# Altium PCB EVK-IRIS-W1.PcbDoc (part 9 of 9)
Units mm, origin at the board's own origin, x right, y up, seen from the top; angles counter-clockwise.
Board outline 94.11 x 129.93 mm, 6 copper layers (L1, L2, L3, L4, L5, L6), stack 1.547 mm thick; 619 components, 422 nets, 2042 pads, 1499 vias.
Unrouted connection lines stored in the file: 4.
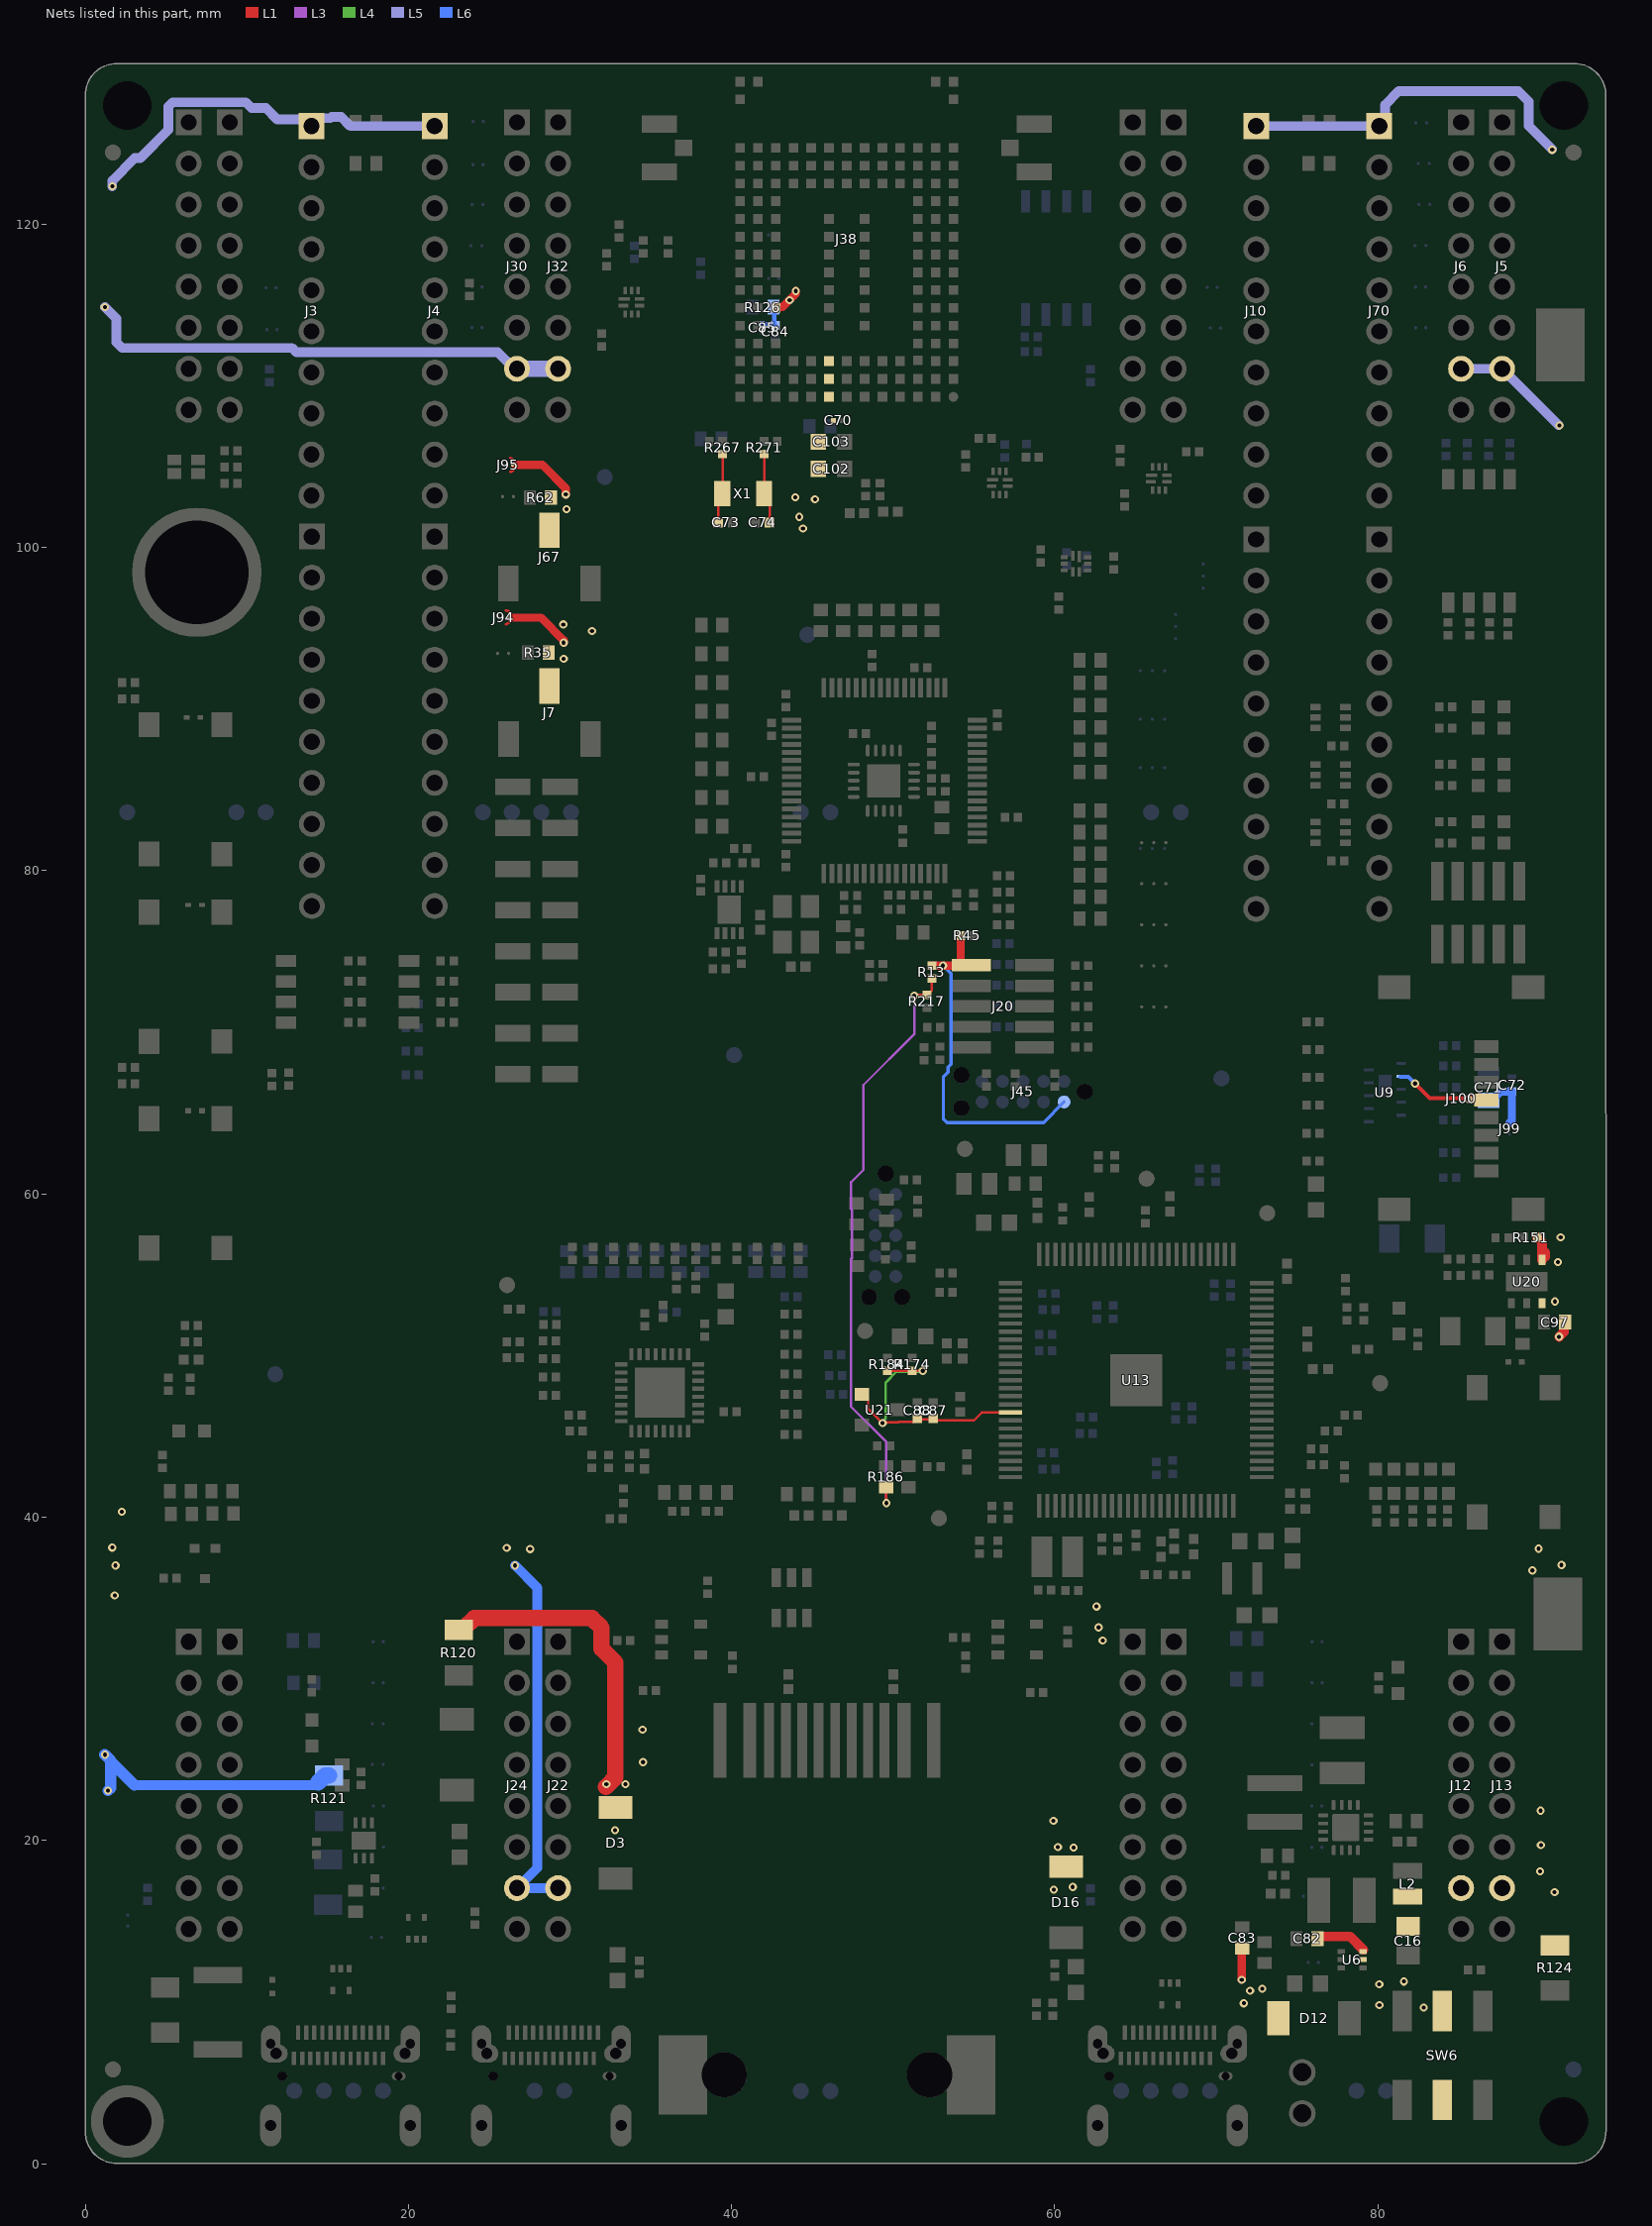
[diagram p13: the nets of this part, all layers, seen from the top]

## Via types
v1: diameter 0.508, hole 0.254, L1 to L6, 992 vias
v2: diameter 0.508, hole 0.254, L1 to L6, tented both sides, 288 vias
v3: diameter 0.5, hole 0.25, L1 to L6, 184 vias
v4: diameter 0.6, hole 0.3, L1 to L6, 27 vias
v5: diameter 0.5, hole 0.3, L1 to L6, 5 vias
v6: diameter 0.5, hole 0.2, L1 to L6, tented top, 2 vias
v7: diameter 0.6, hole 0.3, L1 to L6, tented both sides, 1 vias

## Nets (pads, with @x,y where several pads share a name; then routed paths per layer and width w, separated by ;. In a path a pad name is that pad's centre, name@x,y a point inside that pad or via, vN(x,y) a via of type N, cw(c..) or ccw(c..) an arc to the next point about the centre after c; other vN are vias at no path point) (continued)
VBUS: C83.1 D3.2 D12.2 D16.2 R120.2 SW6.2 SW6.5 U6.2 | length 21.9
  L1 w0.508: v2(71.574,11.371) 71.574,13.298 C83.1@71.595,13.32
  L1 w1.016: R120.2@23.066,32.948 23.301,32.948 23.479,33.127 23.479,33.151 24.075,33.746 28.193,33.746 31.359,33.746 31.954,33.151 31.954,31.858 32.815,30.997 32.815,23.894 v1@32.229,23.308
  other v1: 59.944,16.942 61.112,17.12 61.163,19.558 60.196,19.583 32.79,20.625 59.919,21.209 32.256,23.47 33.427,23.47 34.519,24.841 34.493,26.848
  other v2: 82.837,9.655 80.093,9.808 71.701,9.923 72.085,10.693 72.844,10.812 80.083,11.091 81.607,11.269
VBUS-OUT: C16.1 C82.1 C97.1 J3.1 J4.1 J5.7 J6.7 J10.1 J12.7 J13.7 J22.7 J24.7 J30.7 J32.7 J70.1 L2.1 R121.1 R124.2 R151.2 U6.3 U20.1 U20.6 | length 131.1
  L1 w0.6: C82.1@76.264,13.915 76.264,13.981 76.339,14.056 78.272,14.056 U6.3@79.104,13.224 ; R151.2@89.854,57.294 90.159,56.989 U20.1@90.159,55.906 ; U20.1@90.361,56.108 90.361,56.352 ; v2(91.21,51.156) 91.503,51.449 91.503,51.989 C97.1@91.578,52.064
  L5 w0.6: v2(1.216,114.859) 1.927,114.148 1.927,112.689 2.278,112.338 12.796,112.338 13.064,112.069 25.531,112.069 26.552,111.048 J30.7@26.725,111.048 ; v2@1.673,122.343 1.673,122.687 3.07,124.084 3.414,124.084 5.155,125.826 5.155,127.274 5.419,127.538 9.932,127.538 10.295,127.175 11.182,127.175 11.873,126.483 13.581,126.483 J3.1@14.005,126.059 14.496,126.55 15.188,126.55 15.262,126.624 15.845,126.624 16.41,126.059 J4.1@21.625,126.059 ; J24.7@26.649,16.972 J24.7@26.725,17.048 ; J10.1@72.465,126.059 J70.1@80.085,126.059 80.441,126.415 80.441,127.376 81.284,128.218 88.686,128.218 89.328,127.576 89.328,126.077 v2@90.776,124.629 ; J6.7@85.145,111.048 J5.7@87.685,111.048 v1@91.173,107.56
  L5 w1.016: J24.7@26.614,17.16 J24.7@26.725,17.048 ; J30.7@26.725,111.048 J32.7@29.265,111.048
  L6 w0.6: 3.046,23.419 5.887,23.419 ; 5.888,23.418 6.923,23.418 ; 6.924,23.419 8.427,23.419 ; 8.428,23.418 9.463,23.418 ; 9.464,23.419 R121.1@14.502,23.419 ; v1(26.592,37.008) 27.975,35.625 27.975,18.298 J24.7@26.725,17.048 J22.7@29.265,17.048
  L6 w0.7: v1(1.22,25.297) 1.576,24.941 1.576,24.89 ; v2(1.406,23.076) 1.576,23.245 1.576,24.89 ; 3.046,23.419 1.576,24.89
  L6 w1.016: R121.1@14.404,23.571 14.836,24.003 R121.1@15.086,24.003
  other v1: 62.965,32.36 62.711,33.172 62.584,34.468 1.829,35.154 89.559,36.703 1.878,37.008 91.364,37.033 27.532,38.024 89.94,38.049 26.085,38.089 1.676,38.115 2.261,40.335 90.957,53.34 91.135,55.778 91.235,107.535
  other v2: 90.932,16.789 90.039,18.076 90.09,19.702 90.065,21.835 91.311,57.302 1.685,122.339 90.788,124.599
VCC: J20.1 J45.1 R13.2 R45.2 | length 22.9
  L1 w0.501: R13.2@52.402,74.108 R13.2@52.399,74.111 52.408,74.12 v1(53.087,74.12) 54.821,74.12 J20.1@54.843,74.143 54.312,74.143 54.183,74.272 R45.2@54.183,75.983
  L6 w0.208: v1(53.087,74.12) 53.592,73.615 53.592,68.025 53.403,67.835 53.403,67.531 53.105,67.234 53.105,64.649 53.34,64.414 59.309,64.414 J45.1@60.579,65.684
VCC_IF_LINK: R13.1 R186.1 R217.2 | length 36.9
  L1 w0.15: R186.1@49.571,41.844 49.571,40.902 v1@49.579,40.894 ; v1(51.306,72.263) 51.351,72.307 R217.2@52.094,72.307 52.109,72.307 52.399,72.597 R13.1@52.399,73.311
  L3 w0.15: v1(49.579,40.869) 49.579,44.649 47.395,46.833 47.395,55.965 47.442,56.012 47.442,59.025 47.395,59.072 47.395,60.719 48.157,61.481 48.157,66.728 51.306,69.878 v1(51.306,72.263)
VDD: C70.1 C102.1 C103.1 J7.2 J38.H1 J38.H2 J38.H3 J94.2 R35.1 | length 4.3
  L1 w0.152: J94.2@26.199,95.673 26.202,95.671 26.202,95.613 26.369,95.613 26.369,95.695 26.373,95.699
  L1 w0.508: 26.348,95.65 26.374,95.65 28.214,95.65 29.613,94.251 v1(29.613,94.098)
  other v1: 29.613,93.108 31.367,94.818 29.589,95.225 44.423,101.168 44.194,101.879 45.16,102.972 43.94,103.099
VDD-IO: C84.1 C85.1 J38.L6 J67.2 J95.2 R62.2 R126.2 | length 9
  L1 w0.508: 26.602,105.104 26.628,105.104 28.285,105.104 29.74,103.649 v1(29.74,103.268) ; J38.L6@42.727,114.837 42.748,114.858 43.155,114.858 43.972,115.675 v1(43.972,115.853)
  L6 w0.301: C85.1@41.894,113.853 41.965,113.783 C84.1@42.652,113.783 ; C84.1@42.691,113.743 C84.1@42.652,113.783 ; v1(43.591,115.294) 43.155,114.858 R126.2@42.59,114.858 42.641,114.807 42.641,113.794 C84.1@42.652,113.783
  other v1: 29.791,102.353
VREF_MCULINK: C87.1 C88.1 R174.1 R184.2 U13.17 U21.1 | length 18.1
  L1 w0.15: U21.1@48.073,47.584 48.123,47.584 48.448,47.259 48.448,46.714 v1(49.349,45.813) ; v1@49.315,45.862 50.32,45.862 50.342,45.884 51.273,45.884 C88.1@51.498,46.109 51.556,46.05 52.416,46.05 C87.1@52.475,46.109 52.609,45.974 54.989,45.974 55.493,46.477 U13.17@57.266,46.477 ; R184.2@49.63,49.054 49.631,49.052 v1(51.838,49.052) ; v1@51.796,49.094 v1@51.814,49.112
  L4 w0.15: v1(49.349,45.813) 49.349,45.91 49.526,46.088 49.526,48.309 50.206,48.988 51.773,48.988 v1(51.838,49.052)
VSDIO: C71.1 C72.1 J99.2 J100.4 U9.2 | length 10.8
  L1 w0.25: v1(82.294,66.827) 83.197,65.925 85.063,65.925 85.085,65.903 85.549,65.903 v1(85.598,65.854)
  L1 w0.5: v1@85.62,65.854 85.621,65.852 86.661,65.852 J100.4@86.703,65.81
  L6 w0.25: U9.2@81.39,67.249 81.873,67.249 v1(82.294,66.827)
  L6 w0.5: v1@85.62,65.854 85.621,65.852 86.762,65.852 C71.1@86.841,65.773 87.041,65.773 87.583,66.316 88.279,66.316 C72.1@88.289,66.326 88.289,64.531 J99.2@88.136,64.379
XTAL32K_IN: C74.1 R271.1 X1.1 | length 4.4
  L1 w0.15: R271.1@42.014,105.77 42.016,105.768 X1.1@42.016,103.324 42.36,102.98 C74.1@42.36,101.533
XTAL32K_OUT: C73.1 R267.1 X1.2 | length 4.3
  L1 w0.15: C73.1@39.174,101.533 39.174,103.082 39.445,103.352 R267.1@39.445,105.77
pads on no net: D11.4 D14.4 D17.5 D18.4 FD1. FD2.1 FD3.1 FD4.1 FD5.1 FD6.1 J33.8 J33.A J33.B J33.C J38.A1 J38.B1 J38.B2 J38.C1 J38.C2 J38.C4 J38.C5 J38.C10 J38.C11 J38.C12 J38.C14 J38.C16 J38.D1 J38.L9 J38.L10 J38.L11 J38.L12 J38.L14 J38.L16 J39.8 J45.6 J45.7 J45.8 J45.A J45.B J45.C J72.26 J72.A2 J72.A3 J72.A8 J72.A10 J72.A11 J72.B2 J72.B3 J72.B8 J72.B10 J72.B11 J98.26 J98.A2 J98.A3 J98.A8 J98.A10 J98.A11 J98.B2 J98.B3 J98.B8 J98.B10 J98.B11 J101.26 J101.A2 J101.A3 J101.A8 J101.A10 J101.A11 J101.B2 J101.B3 J101.B8 J101.B10 J101.B11 SW6.3 SW6.6 T1.9 T1.MH1 T1.MH2 U1.8 U1.22 U1.26 U1.27 U5.1 U6.1 U6.6 U8.1 U9.3 U9.8 U10.7 U13.6 U13.11 U13.40 U13.43 U13.53 U13.64 U13.89 U13.93 U13.97 U13.98 U108.21 U108.24 U108.33 U108.34 U108.36 U108.45 U108.46 U108.60 U109.2 U109.5 U109.7 U109.14 U109.15

## Polygon pours and split planes (outlines as drawn)
GND on L1 "GND_L01_P110" (solid, remove dead copper, pour order 110): 0.33,129.667 93.604,129.667 93.604,0.508 0.33,0.508
+3V3 on L1 "+3V3_L01_P083" (solid, pour order 83): 71.793,25.033 76.397,25.033 76.882,25.518 83.385,25.518 83.385,22.674 75.053,22.674 71.793,22.674
Chassis-GND on L1 "CHASSIS-GND_L01_P059" (solid, remove dead copper, pour order 59): 71.906,9.093 70.273,9.093 70.288,2.845 63.77,2.845 63.77,8.601 61.12,8.601 58.349,8.601 58.349,9.92 35.701,9.92 33.604,7.823 33.604,3.814 23.8,3.814 11.759,3.707 11.759,8.788 1.983,8.788 0.356,8.788 0.356,0.555 71.906,0.555
MCU_LINK_3V3 on L1 "MCU_LINK_3V3_L01_P069" (solid, pour order 69): 56.735,58.708 56.888,58.708 56.888,63.144 58.205,63.144 58.205,57.708 57.685,57.708 56.706,57.708 56.735,57.737
NetC95_2 on L1 "NETC95_2_L01_P092" (solid, pour order 92): 60.744,11.118 61.846,11.118 61.846,10.414 64.414,10.414 64.414,8.816 60.744,8.816
VBUS-OUT on L1 "VBUS-OUT_L01_P085" (solid, pour order 85): 80.819,17.094 80.819,15.007 78.857,13.937 78.857,12.881 79.145,12.881 79.848,13.247 81.014,13.834 82.406,13.834 83.689,15.054 83.689,15.13 90.002,15.13 90.002,12.809 92.685,12.814 92.685,22.699 89.125,22.699 89.125,18.686 88.93,18.491 83.766,18.491 83.766,17.094
MUSB-OTG_VBUS on L1 "MUSB-OTG_VBUS_L01_P099" (solid, pour order 99): 22.528,13.564 23.783,13.564 23.783,19.498 22.528,19.498
GND on L1 "GND_L01_P111" (solid, pour order 111): 47.431,111.812 47.431,109.012 47.446,108.998 47.446,108.179 47.456,108.168 47.456,103.541 47.217,103.302 47.192,103.327 46.48,103.327 46.48,107.002 46.707,107.229 46.707,108.028 46.607,108.128 46.607,108.815 46.831,109.039 46.831,111.812
VDD on L1 "VDD_L01_P105" (solid, pour order 105): 45.731,111.812 46.331,111.812 46.331,109.012 46.457,108.886 46.457,107.704 46.489,107.671 46.489,107.34 46.168,107.34 45.856,107.028 45.856,104.35 45.998,104.208 45.998,100.635 43.432,100.635 43.305,100.762 43.305,105.461 44.474,105.461 44.611,105.598 44.611,107.036 44.898,107.036 44.906,107.028 45.464,107.586 45.464,108.941 45.66,108.941 45.731,109.012
MLINK_3V3 on L1 "MLINK_3V3_L01_P079" (solid, pour order 79): 55.482,58.773 55.482,61.279 56.085,61.279 56.44,61.279 56.444,59.93 56.131,59.938 56.136,57.645 56.08,57.589 56.08,56.532 54.505,57.128 54.505,58.773
VBAT_DCDC/VBAT_PMU on L1 "VBAT_DCDC/VBAT_PMU_L01_P102" (solid, pour order 102): 72.03,42.674 73.612,42.674 73.613,41.842 74.937,41.842 74.937,39.408 75.284,39.408 75.284,38.323 73.536,38.323 73.536,37.998 72.528,37.998 72.528,39.929 70.341,39.929 70.341,41.488 72.03,41.488
NetC19_2 on L1 "NETC19_2_L01_P101" (solid, pour order 101): 17.41,20.728 17.41,23.842 13.664,23.842 13.664,21.091 17.016,21.091 17.016,20.728
VBUS on L1 "VBUS_L01_P097" (solid, pour order 97): 31.013,19.799 31.013,28.423 35.687,28.423 35.687,19.799
NetD14_5 on L1 "NETD14_5_L01_P095" (solid, pour order 95): 31.342,8.941 33.833,8.941 33.833,11.947 31.342,11.947
VBUS on L1 "VBUS_L01_P094" (solid, pour order 94): 59.491,16.485 59.491,22.504 61.91,22.504 61.91,16.485
VBUS on L1 "VBUS_L01_P090" (solid, pour order 90): 74.63,10.094 72.922,11.802 71.091,11.802 71.091,9.288 71.083,9.28 73.074,9.28 73.074,7.514 74.63,7.514
VBUS on L1 "VBUS_L01_P089" (solid, pour order 89): 79.958,12.765 80.895,11.828 83.588,11.828 84.655,10.761 84.655,2.684 83.08,2.684 82.859,2.684 82.687,2.684 82.673,7.561 79.348,7.561 79.348,12.437 78.885,12.437 78.857,12.465 78.885,12.494 78.885,12.765
NetR123_2 on L1 "NETR123_2_L01_P088" (solid, pour order 88): 85.805,10.69 90.009,10.69 90.009,11.403 91.89,11.403 91.89,9.344 91.55,9.098 87.703,9.098 87.703,2.623 85.805,2.623
NetC18_1 on L1 "NETC18_1_L01_P084" (solid, pour order 84): 78.574,21.833 78.968,21.833 79.052,21.749 79.052,20.37 80.032,20.37 80.032,19.279 78.446,17.693 78.446,14.942 78.495,14.893 79.846,14.893 79.846,16.544 80.628,17.326 83.595,17.326 83.595,18.01 81.625,19.607 81.625,22.55 79.886,22.55 78.574,22.55
NetL3_1 on L1 "NETL3_1_L01_P081" (solid, pour order 81): 77.015,21.765 77.015,20.362 76.095,20.362 71.853,20.362 71.853,21.765
MLINK_3V3 on L1 "MLINK_3V3_L01_P078" (solid, pour order 78): 85.161,50.571 83.783,50.571 83.783,52.442 78.863,56.368 78.863,57.375 78.863,58.118 81.34,58.118 81.34,56.368 85.161,52.546
NetC98_1 on L1 "NETC98_1_L01_P077" (solid, pour order 77): 89.491,51.587 87.957,51.587 87.957,50.569 86.579,50.569 86.579,52.468 88.923,52.468 88.923,53.625 89.491,53.625
VBUS-OUT on L1 "VBUS-OUT_L01_P072" (solid, pour order 72): 90.17,57.582 92.202,57.582 92.202,51.509 91.121,51.509 91.121,52.823 89.846,52.823 89.846,57.258
NetC17_1 on L1 "NETC17_1_L01_P071" (solid, remove dead copper, pour order 71): 18.708,19.263 17.065,19.263 17.065,17.316 18.708,17.316
VDD-IO on L1 "VDD-IO_L01_P068" (solid, pour order 68): 26.26,105.859 30.287,105.859 30.287,100.713 29.426,99.852 27.989,99.852 27.989,102.213 28.301,102.499 28.301,103.565 28.306,103.57 28.306,104.004 26.26,104.004
VDD on L1 "VDD_L01_P066" (solid, pour order 66): 26.133,96.207 26.158,96.232 32.231,96.232 32.231,93.059 29.395,90.223 28.021,90.223 28.021,92.575 28.243,92.778 28.243,93.869 28.243,94.378 26.184,94.378 26.133,94.429 26.133,96.232
NetR123_2 on L1 "NETR123_2_L01_P048" (solid, pour order 48): 85.088,7.566 93.412,7.566 93.412,10.183 85.088,10.183
GND on L6 "GND_L06_P119" (solid, remove dead copper, pour order 119): 0.04,129.631 94.578,129.631 94.578,-0.163 0.04,-0.163
Chassis-GND on L6 "CHASSIS-GND_L06_P080" (solid, pour order 80): 71.906,9.093 70.273,9.093 70.288,2.845 63.77,2.845 63.77,8.601 61.12,8.601 58.349,8.601 58.349,9.92 36.052,10.271 33.477,7.696 33.477,3.807 11.759,3.707 11.759,8.738 1.983,8.738 0.535,8.738 0.535,0.555 71.906,0.555
MLINK_3V3 on L6 "MLINK_3V3_L06_P076" (solid, pour order 76): 54.53,58.716 54.538,58.708 56.085,58.708 56.085,57.708 56.08,57.703 56.08,56.532 54.505,57.167 54.505,58.716
MUSB-OTG_VBUS on L6 "MUSB-OTG_VBUS_L06_P075" (solid, pour order 75): 14.144,13.301 14.144,16.679 15.908,16.679 15.908,13.301
NetC17_1 on L6 "NETC17_1_L06_P062" (solid, pour order 62): 18.716,19.016 18.678,18.977 15.908,18.977 15.908,19.441 14.158,19.441 14.158,18.191 16.112,18.191 16.557,17.746 18.716,17.746
VBUS-OUT on L6 "VBUS-OUT_L06_P039" (solid, pour order 39): 25.551,39.88 25.551,31.386 62.226,31.53 64.21,31.514 64.21,35.98 64.21,39.825
+3V3 on L5 "+3V3_L05_P115" (solid, remove dead copper, pour order 115): 0.055,129.844 94.035,129.844 94.035,0.05 0.055,0.05
VBUS-OUT on L5 "VBUS-OUT_L05_P061" (solid, pour order 61): 0.04,43.142 0.04,125.442 2.734,125.442 2.74,111.929 4.597,111.929 4.597,92.184 3.12,92.184 3.12,90.821 4.597,90.821 4.597,20.255 0.04,20.255
VDD on L5 "VDD_L05_P042" (solid, pour order 42): 33.438,100.202 31.898,100.806 26.703,95.024 29.189,91.827 33.031,91.9 37.321,96.078 43.576,96.078 43.589,98.193 44.875,100.728 45.998,100.734 45.998,105.461 41.491,105.461
Chassis-GND on L5 "CHASSIS-GND_L05_P100" (solid, pour order 100): 71.906,9.093 70.273,9.093 70.288,2.845 63.77,2.845 63.77,8.601 61.12,8.601 58.349,8.601 58.349,9.92 36.002,10.271 33.045,7.315 33.045,3.805 11.759,3.707 11.759,8.738 1.983,8.738 0.535,8.738 0.535,0.555 71.906,0.555
MUSB-OTG_VBUS on L5 "MUSB-OTG_VBUS_L05_P096" (solid, pour order 96): 13.765,8.87 23.774,8.87 23.774,18.313 22.225,18.313 22.225,12.483 15.899,12.483 15.899,10.479 15.899,15.316 14.121,15.316 14.121,10.492 13.765,10.492
NetD14_5 on L5 "NETD14_5_L05_P093" (solid, pour order 93): 26.709,8.93 26.865,8.93 33.364,8.93 33.364,11.651 31.348,11.651 31.348,10.534 26.709,10.541
NetC95_2 on L5 "NETC95_2_L05_P070" (solid, pour order 70): 60.796,8.816 61.829,8.811 61.829,8.93 64.995,8.93 69.059,8.93 69.059,10.566 60.796,10.566
VBUS-OUT on L5 "VBUS-OUT_L05_P060" (solid, pour order 60): 88.798,23.486 88.798,15.689 93.4,15.689 93.4,125.315 89.603,125.315 89.616,53.97 88.798,53.97
VDD-IO on L5 "VDD-IO_L05_P051" (solid, pour order 51): 44.463,114.776 39.567,108.338 38.399,108.338 32.895,102.495 31.748,101.989 30.182,100.781 27.622,102.929 35.477,110.793 36.617,111.114 42.893,116.196 44.479,116.196
GND on L4 "GND_L04_P114" (solid, remove dead copper, pour order 114): 0.064,129.924 94.044,129.924 94.044,0.13 0.064,0.13
VBUS on L4 "VBUS_L04_P024" (solid, pour order 24): 29.41,19.816 29.41,39.059 60.089,38.965 62.052,39.056 62.052,30.591 63.5,30.591 74.432,26.119 74.432,15.697 84.655,15.697 84.655,9.068 56.515,9.068 56.515,29.921 34.866,29.921 34.866,15.189 29.41,15.189
Chassis-GND on L4 "CHASSIS-GND_L04_P104" (solid, pour order 104): 71.906,9.093 70.273,9.093 70.288,2.845 63.77,2.845 63.77,8.601 61.12,8.601 58.349,8.601 58.349,9.92 36.052,10.271 33.045,7.264 33.045,3.805 11.759,3.707 11.759,8.738 1.983,8.738 0.535,8.738 0.535,0.555 71.906,0.555
VBUS-OUT on L4 "VBUS-OUT_L04_P103" (solid, pour order 103): 1.091,41.371 1.091,34.337 28.142,34.295 28.142,41.332
VBUS-OUT on L4 "VBUS-OUT_L04_P026" (solid, pour order 26): 62.228,38.785 62.228,31.538 64.184,31.538 64.184,33.218 88.698,33.177 88.698,16.129 92.304,16.129 92.304,38.743
GND on L2 "GND_L02_P112" (solid, pour order 112): -0.011,129.924 93.969,129.924 93.969,0.13 -0.011,0.13
Chassis-GND on L2 "CHASSIS-GND_L02_P025" (solid, pour order 25): 71.906,9.093 70.273,9.093 70.288,2.845 63.77,2.845 63.77,8.611 57.76,8.611 57.76,9.92 35.717,9.92 33.477,7.821 33.477,3.807 11.759,3.707 11.759,8.738 1.983,8.738 0.535,8.738 0.535,0.555 71.906,0.555
GND on L3 "GND_L03_P113" (solid, remove dead copper, pour order 113): -2.371,130.677 94.114,130.677 94.114,-1.726 -2.371,-1.726
Chassis-GND on L3 "CHASSIS-GND_L03_P020" (solid, pour order 20): 71.906,9.093 70.273,9.093 70.288,2.845 63.77,2.845 63.77,8.601 61.12,8.601 58.349,8.601 58.349,9.92 36.102,10.27 33.477,7.645 33.477,3.807 11.759,3.707 11.759,8.738 1.983,8.738 0.535,8.738 0.535,0.555 71.906,0.555

## Keep-outs
Keep-Out Layer:
  lines w0.127: 0.067,1.974 ccw(c1.972,1.974) 1.972,0.069 ; 0.067,127.964 cw(c1.972,127.964) 1.972,129.869 ; 92.142,0.069 ccw(c92.142,1.974) 94.047,1.974 ; 92.142,129.869 cw(c92.142,127.964) 94.047,127.964
  lines w0.15: 1.972,0.069 64.653,0.069 ; 1.972,129.869 92.142,129.869 ; 60.657,0.069 92.142,0.069 ; 94.045,128.286 94.05,1.974 ; 94.047,80.974 94.047,127.964
